# Altium PCB MeasureV2.PcbDoc (continued)
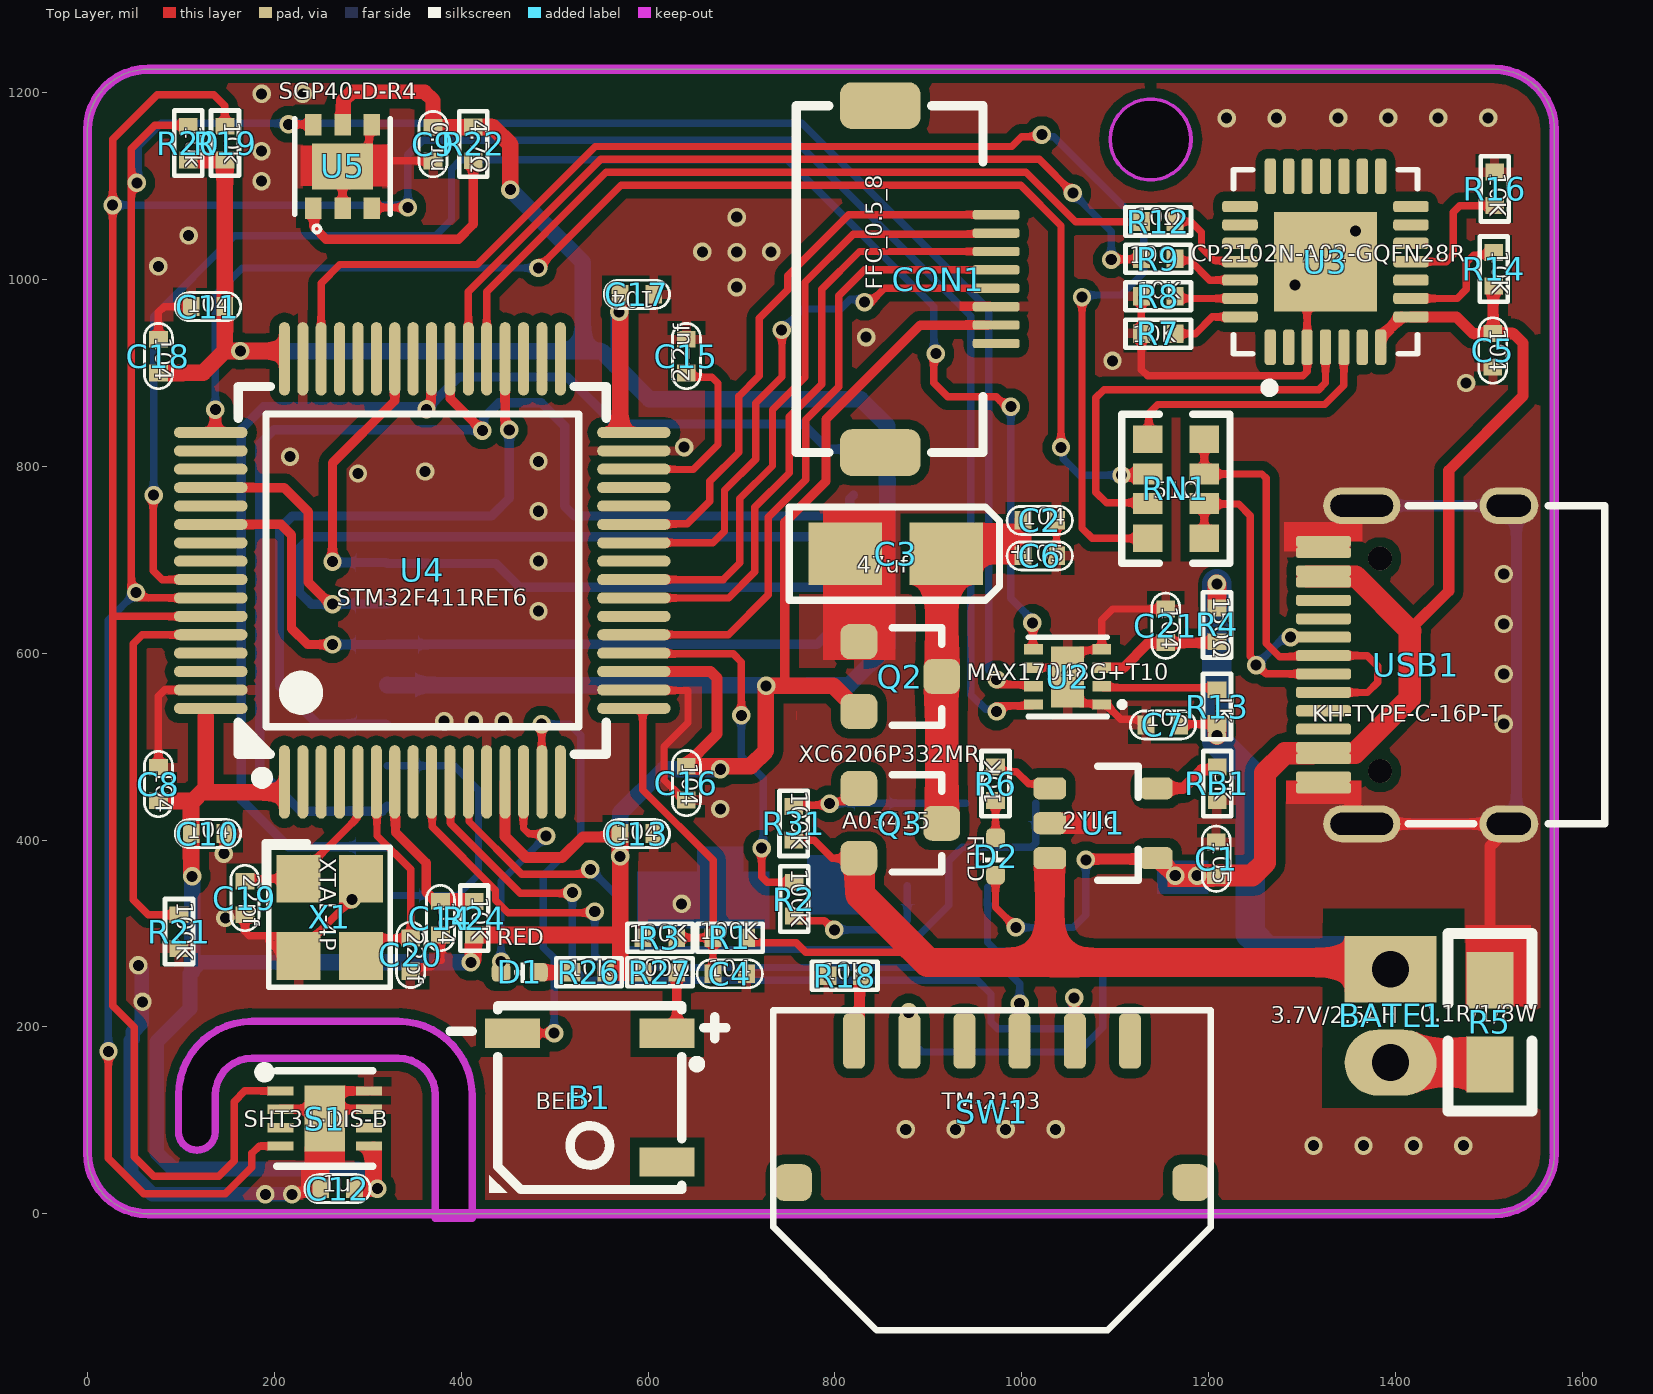
[diagram p0: Top Layer view]
## Footprints (in the part's own frame and the unit in brackets; to place one, negate y for a bottom-side part, rotate by r counter-clockwise, add the part's x,y. Pads: shape width x height; smd on the part's side, far side on the other; paste and mask are expansions set on the pad) (continued)
  rect 110.24x106.3 smd: 29(0,0)
  silkscreen extent -98,-140 98,98, body extent -98,-98 98,98, height 35
SOT23-5_S [mil]
  rrect50% 35x23.62 smd: 1(57,-37.4) 2(57,0) 3(57,37.4) 4(-57,37.4) 5(-57,-37.4)
  silkscreen extent -37,-61 6,61, body extent -54,-57 56,57, height 47
SOT23_ [mm] "Surface mount NPN transistor, package SOT-23"
  rrect50% 0.95x1 smd: 1(-0.95,-1.125) 2(0.95,-1.125) 3(0,1.125)
  silkscreen extent -1.33,-0.22 1.32,1.13, body extent -1.45,-1.4 1.45,1.4, height 1.3
TAJ-A/3216 [mm]
  rect 2x1.7 smd: 1(0.047,0) 2(2.794,0)
  silkscreen extent -1.4,-1.27 4.32,1.27, body extent -0.2,-0.8 3,0.8, height 1.6
TF_Card [mm]
  rrect50% 1.75x0.7 smd: 1(5.4,3.188) 2(5.4,2.088) 3(5.4,0.988) 4(5.4,-0.112) 5(5.4,-1.212) 6(5.4,-2.312) 7(5.4,-3.413) 8(5.4,-4.513)
  rrect50% 1.55x1 smd: 9(-5.4,5.563)
  rrect50% 1x1.45 smd: 10(-3.825,-5.637)
  rrect50% 1.5x1.5 smd: S1(5.275,5.637)
  rrect50% 1.5x1.016 smd: S2(5.275,-5.839)
  rrect50% 1.4x0.8 smd: S3(-2.975,5.963)
  rrect50% 1.5x0.8 smd: S4(-2.325,-5.963)
  silkscreen extent -5.67,-5.99 4.21,5.96, body extent -5.66,-5.96 10.98,6.04, height 1.69
TYPE-C-16P-T [mm]
  round 0.65 hole 0.65: 0(-0.98,-2.89) 0(-0.98,2.89)
  oval 1.6x1 hole 0.6 slot 1.2 at 0 deg: 1(2.52,4.325) 2(2.52,-4.325)
  oval 2.1x1 hole 0.6 slot 1.7 at 0 deg: 3(-1.48,-4.325) 4(-1.48,4.325)
  rrect50% 1.5x0.3 smd: A1(-2.52,-3.35) A4(-2.52,-2.55) A5(-2.52,-1.25) A6(-2.52,-0.25) A7(-2.52,0.25) A8(-2.52,1.25) A9(-2.52,2.55) A12(-2.52,3.35) B1(-2.52,3.05) B4(-2.52,2.25) B5(-2.52,1.75) B6(-2.52,0.75) B7(-2.52,-0.75) B8(-2.52,-1.75) B9(-2.52,-2.25) B12(-2.52,-3.05)
  silkscreen extent -0.22,-4.33 5.12,4.33, body extent -2.78,-4.47 5.12,4.47, height 3.11
WHEEL_SWITCH [mm]
  rrect50% 1x1 smd paste+0 mask+0.102: a(5.401,3.846) ""(-5.401,3.846)
  rrect50% 0.6x1.5 smd paste+0 mask+0.102: b(3.75,0) c(2.25,0) d(0.75,0) e(-0.75,0) f(-2.25,0) g(-3.75,0)
  silkscreen extent -5.94,-0.84 5.94,7.86, body extent -7.21,-0.28 7.21,11.81, height 3
XH2/2.54mm/180 [mm]
  rect 1.8x2.5 hole 1: 1(0,0)
  oval 1.8x2.5 hole 1: 2(2.54,0)

## Part data
B1: "蜂鸣器"
BATE1: library part Battery, "Multicell Battery", LatestRevisionDate=17-Jul-2002, LatestRevisionNote="Re-released for DXP Platform.", PackageReference=BAT-2, Published=24-Mar-1999, Publisher="Altium Limited"
C1 C2 C4 C5: library part Cap, "Capacitor", LatestRevisionDate=17-Jul-2002, LatestRevisionNote="Re-released for DXP Platform.", PackageReference=RAD-0.3, Published=8-Jun-2000, Publisher="Altium Limited"
C3: library part "Cap Pol3", "Polarized Capacitor (Surface Mount)", LatestRevisionDate=29-May-2009, LatestRevisionNote="IPC-7351 Footprint Added.", PackageDescription="Chip Capacitor", PackageReference=C0805, Published=8-Jun-2000, Publisher="Altium Limited"
C6 C7 C8 C10 C11 C13 C14 C15 C16 C17 C18 C19 C20 C21: library part C103
CON1: "FFC", System=Connector
D1 D2: library part LED0, "Typical INFRARED GaAs LED", LatestRevisionDate=08-Jul-2005, LatestRevisionNote="Mech Layer 1 removed.", PackageReference=LED-0, Published=8-Jun-2000, Publisher="Altium Limited"
D3: BOM_JLCPCB Part Class="Extended Part", BOM_Manufacturer="Slkor(SLKORMICRO Elec.)", BOM_Manufacturer Part=BAT54C, BOM_Supplier=LCSC, BOM_Supplier Part=C556168, Contributor=LCSC, spicePre=D, spiceSymbolName=BAT54C_C556168
J1: "10 _8 + 2_ Position Card Connector Secure Digital - microSDâ„¢ Surface Mount, Right Angle Gold", Package=None, Availability=Unavailable, MF="Amphenol Commercial Products", MP=1140084168, Price=None, SnapEDA_Link=https://www.snapeda.com/parts/1140084168/Amphenol/view-part/4544529/?ref=snap
Q2: library part XC6206_3.3
Q3: library part MOSFET-P, "P-Channel MOSFET", LatestRevisionDate=17-Jul-2002, LatestRevisionNote="Re-released for DXP Platform.", PackageReference=E3, PackageVersion=1995/1996, Published=8-Jun-2000, Publisher="Altium Limited"
Q4: library part N-MOS, "N沟道场效应管"
R1 R3 R6 R7 R8 R9 R12 R14 R16 R18 R21 R26 R27 R31 RB1: library part Res2, "Resistor", LatestRevisionDate=17-Jul-2002, LatestRevisionNote="Re-released for DXP Platform.", PackageReference=AXIAL-0.4, Published=8-Jun-2000, Publisher="Altium Limited"
R2 R4 R5 R13 R24: library part R10K
R10 R11 R25 R28 R29: library part 电阻-0402, "Resistor"
RN1: BOM_JLCPCB Part Class="Extended Part", BOM_Manufacturer=RALEC, BOM_Manufacturer Part=RTA03-4D510JTP, Resistance (Ohms)=51, BOM_Supplier=LCSC, BOM_Supplier Part=C102676, nameAlias=Resistance, spicePre=R, spiceSymbolName=RTA03-4D510JTP
S1: BOM_JLCPCB Part Class="Extended Part", BOM_Manufacturer=Sensirion, BOM_Manufacturer Part=SHT31-DIS-B, BOM_Supplier=LCSC, BOM_Supplier Part=C80862, spicePre=S, spiceSymbolName=SHT31-DIS-B
SW1: BOM_JLCPCB Part Class="Extended Part", BOM_Manufacturer="XKB Enterprise", BOM_Manufacturer Part=TM-2103, BOM_Supplier=LCSC, BOM_Supplier Part=C318947, Contributor=LCSC, spicePre=S, spiceSymbolName=TM-2103
U2: BOM_JLCPCB Part Class="Extended Part", BOM_Manufacturer=MAXIM(美信), BOM_Manufacturer Part=MAX17048G+T10, BOM_Supplier=LCSC, BOM_Supplier Part=C2682616, Contributor=LCSC, spicePre=U, spiceSymbolName=MAX17048G+T10
U3: BOM_JLCPCB Part Class="Extended Part", BOM_Manufacturer="SILICON LABS(芯科)", BOM_Manufacturer Part=CP2102N-A02-GQFN28R, BOM_Supplier=LCSC, BOM_Supplier Part=C964632, Contributor=LCSC, spicePre=U, spiceSymbolName=CP2102N-A02-GQFN28R
U4: BOM_JLCPCB Part Class="Extended Part", BOM_Manufacturer=STMicroelectronics, BOM_Manufacturer Part=STM32F411RET6, BOM_Supplier=LCSC, BOM_Supplier Part=C94355, spicePre=U, spiceSymbolName=STM32F411RET6
U5: BOM_JLCPCB Part Class="Extended Part", BOM_Manufacturer=null, BOM_Manufacturer Part=SGP40-D-R4, BOM_Supplier=LCSC, BOM_Supplier Part=C2874215, Contributor=LCSC, spicePre=U, spiceSymbolName=SGP40-D-R4
USB1: BOM_JLCPCB Part Class="Extended Part", BOM_Manufacturer="Shenzhen Kinghelm Elec", BOM_Manufacturer Part=KH-TYPE-C-16P-T, BOM_Supplier=LCSC, BOM_Supplier Part=C709358, Contributor=LCSC, spicePre=U, spiceSymbolName=KH-TYPE-C-16P-T
X1: "4脚无源晶振"
C9 C12: Contributor=LCEDA_Lib, nameAlias=Value(F), spicePre=C, spiceSymbolName=C_0402_US
R19 R20 R22: Contributor=LCEDA_Lib, nameAlias=Value(Ω), spicePre=R, spiceSymbolName=R_0402_EU

## Via types
v1: diameter 19.68, hole 11.81, Top Layer to Bottom Layer, tented both sides, 113 vias

## Nets (pads, with @x,y where several pads share a name; then routed paths per layer and width w, separated by ;. In a path a pad name is that pad's centre, name@x,y a point inside that pad or via, vN(x,y) a via of type N, cw(c..) or ccw(c..) an arc to the next point about the centre after c; other vN are vias at no path point)
BAT: BATE1.1 C7.2 Q3.2 R1.2 R4.1 R13.1 R31.2 U1.3 | length 1634.3
  Top Layer w7.87: R1.2 705.6,295.22 710.66,290.16 758.59,290.16 768.83,279.92 874.02,279.92 881.2,287.11 ; R31.2@755.85,400.06 R31.2 777.65,399.91 797.05,380.51 Q3.2 ; C7.2 1169.83,524.07 R13.1@1208.02,524.07
  Top Layer w20: R13.1@1208.02,524.07 1208.86,523.23 v1(1208.86,512.01) ; v1(1208.66,674.21) 1208.86,674.02 R4.1@1208.86,650.79
  Top Layer w31.5: Q3.2@826.77,380.51 826.77,341.54 881.2,287.11 899.31,269 1029.96,269 ; U1.3@1029.96,376.66 1029.96,269 ; BATE1.1@1396.85,269 1029.96,269
  Bottom Layer w31.5: v1@1208.66,505.91 1244.49,470.08 1244.49,299.95 1262.94,281.5 1375,281.5 BATE1.1 ; v1@1208.66,512.01 v1(1208.66,674.21)
BAT_V: C4.2 R1.1 R3.2 U4.17 | length 352.7
  Top Layer w7.87: U4.17@594.22,539.57 594.22,453.61 669.6,378.24 R1.1 R3.2 ; C4.2@669.5,256.99 R1.1@669.5,295.37
BAT_VCC: C2.2 C3.1 C6.1 Q2.3 Q3.3 | length 483.5
  Top Layer w17.72: 999.8,730.12 942.83,730.12 C3.1 921.57,704.13 C6.1 C2.2
  Top Layer w35.43: Q3.3@914.25,423.23 Q2.3 C3.1@914.25,695.47
BEEP: B1.2 U4.15 | length 493.5
  Top Layer w7.87: B1.2 v1(499.41,193.31) ; v1(486.02,524.02) 486.18,523.86 486.18,462.41 U4.15
  Bottom Layer w7.87: v1(486.02,524.02) 516.14,524.02 527.95,512.2 527.95,402.17 487.8,362.01 487.8,285.06 499.41,273.45 v1(499.41,193.31)
BLK: CON1.1 U4.27 | length 617.5
  Top Layer w8: U4.27 585.3,738.39 641.93,738.39 666.2,762.65 666.2,784.09 697.24,815.14 697.24,875.2 719.09,897.05 719.09,958.46 749.53,988.9 749.53,1003.86 814.96,1069.29 CON1.1
D+: RN1.3 RN1.4 USB1.A6 USB1.B6 | length 431
  Top Layer w7.87: RN1.4 RN1.3 1195.88,759.65 1232.09,759.65 1244.49,747.24 1244.49,596.7 1250.79,590.4 v1(1250.79,587.2) 1252,587.2 1261.31,577.9 1330.5,577.9 USB1.A6@1330.75,577.66 ; v1@1287.64,617.15 1330.63,617.15 USB1.B6@1330.75,617.03
  Bottom Layer w7.87: v1(1250.79,587.2) 1278.49,614.91 1285.35,614.91 v1(1287.61,617.17)
D-: RN1.1 RN1.2 USB1.A7 USB1.B7 | length 484.4
  Top Layer w7.87: RN1.1 RN1.2 1257,791.75 1261.61,787.14 1261.61,610.43 1275.72,596.33 1329.74,596.33 1330.75,597.34 1369.59,597.34 1380.91,586.02 1380.91,568.9 1369.98,557.97 USB1.B7@1330.75,557.97
DC: CON1.5 U4.26 | length 593.6
  Top Layer w7.87: U4.26 669.4,718.16 681.69,730.45 681.69,774.22 715.18,807.71 715.18,867.77 743.22,895.81 743.22,945.58 v1(742.94,945.87) ; v1(831.61,975.72) 833.87,977.98 840.39,977.98 852.96,990.55 CON1.5
  Bottom Layer w7.87: v1(742.94,945.87) 765.38,968.31 806.01,968.31 816.51,978.8 825.33,978.8 828.41,975.72 v1(831.61,975.72)
FRONT: D3.2 U4.11 | length 858.4
  Top Layer w7.87: U4.11 408.34,461.5 408.34,419.87 464.64,363.58 v1@539.96,363.58 ; v1@535.93,366.44 v1(538.19,368.7)
  Bottom Layer w7.87: v1(538.19,368.7) 567.91,338.98 567.91,292.13 577.17,282.87 874.8,282.87 921.85,329.92 921.85,377.95 936.22,392.32 1010.15,392.32 1014.76,396.94 D3.2
FRONT_E: D3.3 SW1.c | length 509
  Bottom Layer w7.87: v1(878.94,215.55) 878.94,187.8 893.5,173.23 1060.24,173.23 1086.42,199.41 1086.42,262.8 1067.91,281.3 972.64,281.3 963.19,290.75 D3.3@963.19,349.41
GND: BATE1.2 C1.2 C2.1 C3.2 C4.1 C5.2 C6.2 C7.1 C8.1 C9.2 C10.1 C11.1 C12.1 C13.1 C14.1 C15.1 C16.1 C17.1 C18.1 C19.1 C20.1 C21.2 CON1.6 J1.6 J1.9 J1.10 J1.S1 J1.S2 J1.S3 J1.S4 Q2.1 Q4.2 R3.1 R5.1 R5.2 R7.1 R8.1 R16.2 R18.2 R21.1 RB1.1 S1.2 S1.7 S1.8 S1.9 U1.2 U2.1 U2.4 U2.6 U2.9 U3.3 U3.29 U4.12 U4.18 U4.31 U4.47 U4.63 U5.2 U5.4 U5.7 USB1.1 USB1.2 USB1.3 USB1.4 USB1.A1 USB1.A12 USB1.B1 USB1.B12 X1.2 X1.4 | length 3916.7
  Top Layer w7.87: v1(145.87,385.43) 146.41,385.98 146.41,406.45 C10.1 ; C19.1 168.5,302.25 173.12,297.64 206.1,297.64 225.79,277.95 X1.2 245.47,295.67 245.47,299.21 v1(282.87,336.61) ; 193.9,293.5 193.9,292.03 229.04,256.89 X1.2@236.22,256.89 ; C20.1 350.93,264.23 368.12,264.23 375.35,271.46 378.54,271.46 378.15,271.85 378.15,298.14 C14.1 ; U4.18 619.44,560.68 620.04,560.08 642.63,560.08 642.63,525.61 617.02,500.01 617.02,464.23 633.19,448.06 634.9,448.06 638.39,444.57 C16.1@638.39,443.5 ; C3.2@809.85,707.71 C3.2 825.67,691.89 Q2.1 ; U2.6 1039.17,584.45 U2.9 ; C6.2 C2.1 ; R8.1 R7.1 1127.96,903.54 1134.65,896.85 1300.66,896.85 1305.28,901.46 U3.3 1305.28,999.31 U3.29 ; C7.1 1132.98,524.23 1127.92,529.29 1105.75,529.29 1089.96,545.08 U2.1 1084.55,546.06 1062.8,546.06 1049.02,559.84 U2.9 ; C21.2 1097.32,647.32 1085.53,635.53 U2.4 1084.55,603.15 1062.8,603.15 1049.02,589.37 U2.9 ; R5.1@1499.15,161.81 R5.1
  Top Layer w8: C8.1 75.96,554.11 82.53,560.68 U4.63 ; C18.1 75.96,964.74 82.22,971 C11.1 ; U5.2 U5.7 278.76,1126.8 U5.7@286.63,1126.8 ; U5.4 301.44,1162.77 301.44,1141.61 U5.7@286.63,1126.8 ; C9.2 U5.7@286.63,1126.8
  Top Layer w9.84: S1.2 244.1,111.81 S1.9 ; C12.1 249.72,27.97 253.94,32.19 S1.9 ; S1.7 263.78,111.81 S1.9 ; S1.8 270.67,131.5 253.94,114.77 S1.9
  Top Layer w11.81: v1(218.9,20.84) 221.03,20.84 223.06,22.87 246.62,22.87 246.62,23.87 C12.1 ; C1.2@1206.96,398 C1.2 ; RB1.1@1207.96,442.33 RB1.1 ; USB1.A1@1330.75,455.61 1353.68,455.61 1353.68,429.96 1366.41,417.22 1529.17,417.22 1524.82,417.22 1500.96,393.37 R5.2 R5.2@1500.96,248
  Top Layer w50: BATE1.2 R5.1@1499.15,161.81
  Bottom Layer w7.87: J1.6 392.37,479.48 418.5,453.35 418.5,363.19 395.94,340.62 J1.S2
  Bottom Layer w11.81: USB1.3@1371.69,417.22 1529.17,417.22 1529.17,757.78 USB1.4@1371.69,757.78
  Bottom Layer w15.75: v1(54.53,265.94) 54.53,264.88 58.11,261.3 58.11,227.52 v1(58.86,226.77) 58.11,226.02 58.11,204.36 48.34,194.59 48.34,187.12 46.65,185.43 46.65,43.5 69.32,20.84 v1(190.35,20.84) ; v1@190.35,20.47 190.72,20.84 v1(218.9,20.84)
  other v1: 1312.14,73.03 1365.62,73.03 1419.09,73.03 1472.57,73.03 875.72,90.35 929.2,90.35 982.68,90.35 1036.15,90.35 147.64,316.54 635.83,331.69 677.36,433.27 1515.75,524.28 381.69,527.36 445.28,527.17 413.19,527.56 1515.75,577.76 1515.75,631.23 482.68,644.95 1515.75,684.71 482.68,698.43 482.68,751.9 289.57,792.32 361.42,794.49 482.68,805.38 216.73,810.43 638.53,820.44 1475.39,889.17 1097.05,912.8 833.27,938.19 694.88,991.73 1292.32,994.09 75.79,1013.98 694.88,1029.23 658.07,1029.53 731.69,1029.53 108.27,1047.05 1357.28,1051.97 694.88,1066.73 186.22,1105.12 186.22,1137.4 1219.16,1172.64 1272.64,1172.64 1338.52,1172.83 1391.99,1172.83 1445.47,1172.83 1498.95,1172.83 186.42,1198.62 230.51,1198.62
LED: D1.2 U4.14 | length 243.4
  Top Layer w7.87: D1.2 v1@442.63,269.68 ; U4.14 466.65,412.42 472.48,406.59 488.68,406.59 v1(490.94,404.33)
  Bottom Layer w7.87: v1@442.63,269.68 442.63,356.02 v1(490.94,404.33)
  other v1: 442.63,270
LOW_POWER: U2.5 U4.57 | length 1785.3
  Top Layer w7.87: v1(908.05,920.67) 905.79,918.41 905.79,914.06 905.58,913.85 905.58,889.41 920.56,874.44 972.48,874.44 983.14,863.78 v1(988.21,863.78) ; v1(1011.22,632.48) 1011.86,631.84 1011.86,604.77 U2.5
  Top Layer w8: v1(70.8,769.09) 70.35,768.64 70.35,688.32 79.88,678.79 U4.57
  Bottom Layer w7.87: v1(70.8,769.09) 70.8,960.17 157.28,1046.65 372.44,1046.65 389.57,1063.78 389.57,1117.91 399.58,1127.93 748.84,1127.93 905.79,970.98 905.79,922.93 v1(908.05,920.67) ; v1(988.21,863.78) 988.21,658.68 1011.22,635.68 v1(1011.22,632.48)
MID: SW1.e U4.9 | length 849.3
  Top Layer w7.87: U4.9 368.97,461.5 368.97,414.1 436.61,346.46 436.61,335.43 450,322.05 541.54,322.05 v1(542.91,323.43) ; SW1.e@997.64,178.54 v1(997.64,225)
  Bottom Layer w7.87: v1(542.91,323.43) 542.91,276.77 556,263.69 980.21,263.69 997.64,246.26 v1(997.64,225)
MOSI: CON1.3 U4.23 | length 672.3
  Top Layer w7.87: U4.23 686.15,659.1 714.17,687.12 714.17,756.15 750.93,792.9 750.93,852.96 785.83,887.86 785.83,989.51 826.24,1029.92 CON1.3@968.31,1029.92
NetB1_1: B1.1 R27.2 | length 69.4
  Top Layer w10: B1.1 630.63,203.61 R27.2
NetC15_2: C15.2 U4.30 | length 205.4
  Top Layer w7.87: U4.30 628.44,796.9 628.68,796.66 648.38,796.66 674.8,823.09 674.8,888.98 668.31,895.47 645.49,895.47 C15.2
NetC19_2: C19.2 U4.5 X1.1 | length 188.4
  Top Layer w7.87: C19.2 171.17,358.66 X1.1 225.79,360.63 288.73,423.57 288.73,461.5 U4.5
NetC20_2: C20.2 U4.6 X1.3 | length 244
  Top Layer w7.87: X1.3 311.9,295.17 C20.2 ; U4.6 309.92,461.5 309.92,404.72 345.87,368.78 345.87,300.23 C20.2@340.16,300.23
NetC21_1: C21.1 R4.2 U2.3 | length 136
  Top Layer w7.87: C21.1@1152.07,611.02 1152.36,611.32 C21.1@1152.86,611.82 ; R4.2@1208.36,611.82 R4.2
  Top Layer w11: U2.3@1085.54,584.46 1108.87,584.46 1135.43,611.02 1152.07,611.02 R4.2@1208.66,611.02
NetD1_1: D1.1 R26.2 | length 36
  Top Layer w15.75: D1.1 R26.2
NetD2_2: D2.2 R6.2 | length 39.9
  Top Layer w7.87: D2.2 R6.2
NetD3_1: D3.1 Q3.1 Q4.3 R31.1 | length 223.8
  Top Layer w7.87: R31.1 757.24,437.44 792.76,437.44 796.55,441.24 807.6,441.24 821.68,455.32 Q3.1
  Bottom Layer w7.87: v1(794.29,438.98) 794.59,439.27 839.67,439.27 Q4.3 D3.1
NetQ4_1: Q4.1 R2.1 | length 168.4
  Top Layer w7.87: R2.1 761.33,313.78 788.69,313.78 798.53,303.94 v1(799.41,303.94)
  Bottom Layer w7.87: v1(799.41,303.94) 867.32,303.94 877.36,313.98 Q4.1
NetR6_1: R6.1 U1.1 | length 50.2
  Top Layer w7.87: R6.1 976.9,473.27 994.25,473.27 1007.28,460.24 U1.1@1014.56,460.24
NetR7_2: R7.2 U3.28 | length 76.9
  Top Layer w7.87: R7.2 1185.9,942 1203.84,959.94 U3.28
NetR8_2: R8.2 U3.27 | length 70.5
  Top Layer w7.87: R8.2 1166.33,979.63 U3.27
NetR9_1: R9.1 U3.26 | length 78.9
  Top Layer w7.87: R9.1 1165.73,1020.23 1180.16,1020.23 1201.08,999.32 U3.26
NetR12_1: R12.1 U3.25 | length 97.1
  Top Layer w7.87: R12.1 1180.72,1062 1192.32,1050.39 1192.32,1033.66 1205.79,1020.19 1232.27,1020.19 U3.25
NetR13_2: R13.2 U2.2 | length 124.9
  Top Layer w7.87: U2.2 1087.11,563.19 1206.58,563.19 R13.2
NetR14_2: R14.2 U3.9 | length 126
  Top Layer w7.87: U3.9 1466.05,979.63 1475.79,989.37 1475.79,1018.5 1483.46,1026.18 1502.14,1026.18 R14.2
NetR16_1: R16.1 U3.11 | length 140.9
  Top Layer w7.87: U3.11 1454.04,1019 1461.81,1026.77 1461.81,1072.05 1468.76,1079 R16.1
NetR18_1: R18.1 SW1.b | length 73.9
  Top Layer w11.81: SW1.b@820.47,178.54 826.38,184.45 R18.1@826.38,247.83 ; R18.1@827.96,252.77 R18.1@829.46,254.27
NetR21_2: R21.2 U4.60 | length 416.6
  Top Layer w8: R21.2 65.04,320 49.02,336.02 49.02,610.06 58.69,619.73 U4.60
NetR22_1: R22.1 U5.1 | length 271.1
  Top Layer w10: U5.1 242.61,1075.07 242.61,1055.82 255.32,1043.11 397.05,1043.11 412.96,1059.02 R22.1
NetRB1_2: RB1.2 U1.5 | length 74.8
  Top Layer w11.81: U1.5 1172.36,455.4 1192.2,475.24 1205.2,475.24 RB1.2@1208.96,479
nRST: C14.2 R24.1 U4.7 | length 187.2
  Top Layer w10: U4.7 329.2,461.91 329.2,427.16 329.64,426.72 329.64,408.36 362.4,375.59 362.4,344.39 368.26,338.54 373.76,338.54 C14.2
  Top Layer w17.72: C14.2@377.91,334.39 C14.2@379.18,334.39 ; C14.2@379.19,334.39 R24.1
REAR: SW1.f U4.10 | length 948.1
  Top Layer w7.87: U4.10 388.66,461.5 388.66,417.44 463.19,342.91 518.01,342.91 v1(518.9,343.8) ; v1(1055.91,231.1) 1056.3,230.71 1056.3,178.94 SW1.f@1056.69,178.54
  Bottom Layer w7.87: v1(518.9,343.8) 518.9,264.37 533.46,249.81 952.35,249.81 966.93,235.24 966.93,205.12 974.02,198.03 1045.67,198.03 1054.18,206.54 1054.18,229.37 v1(1055.91,231.1)
RES: CON1.2 U4.24 | length 675.4
  Top Layer w7.87: U4.24 680.56,678.79 698.23,696.46 698.23,765.48 733.06,800.3 733.06,860.36 767.95,895.26 767.95,996.92 819.46,1048.43 CON1.2@971.85,1048.43
SCK: CON1.4 U4.21 | length 692.8
  Top Layer w7.87: U4.21 686.06,619.73 728.74,662.4 728.74,745.43 768.8,785.5 768.8,849.77 804.13,885.1 804.13,982.54 831.83,1010.24 CON1.4
SCL: R20.2 S1.4 U2.7 U4.58 U5.6 | length 2989.4
  Top Layer w8: v1(22.44,173.82) 22.44,59.45 60.43,21.46 147.64,21.46 175.98,49.8 175.98,64.57 183.86,72.44 S1.4 ; R20.2@106.5,1164.96 72.05,1164.96 46.96,1139.87 46.96,670 v1(51.96,665) 57.86,659.1 U4.58 ; v1(215.16,1165.94) 215.24,1165.86 241.38,1165.86 U5.6 ; v1(973.03,571.85) v1@976.19,571.85 ; v1@973.23,566.28 1010.99,566.28 U2.7
  Bottom Layer w8: v1(22.44,173.82) 22.44,635.48 v1(51.96,665) ; v1(52.76,1103.35) 54.18,1104.77 54.18,1142.56 78.74,1167.13 213.98,1167.13 v1(215.16,1165.94) 216.34,1167.13 764.68,1167.13 964.37,967.44 964.37,582.38 973.03,573.72 v1(973.03,571.85)
SD_CK: J1.5 U4.36 | length 711.4
  Top Layer w10: U4.36 446.96,846.01 451.38,841.59 v1(451.38,838.97)
  Bottom Layer w10: J1.5 319.26,524.21 246.06,524.21 205.51,564.76 205.51,733.27 219.09,746.85 432.28,746.85 451.38,765.94 v1(451.38,838.97)
SD_CMD: J1.3 R25.2 U4.54 | length 804.7
  Top Layer w10: U4.54 207.05,737.84 218.42,726.46 218.42,626.46 235.63,609.25 v1(262.2,609.25)
  Bottom Layer w10: v1(262.2,609.25) 262.28,609.33 320.61,609.33 J1.3 780.86,609.4 792.63,621.18 R25.2
SD_D0: J1.7 R10.2 U4.39 | length 1375.9
  Top Layer w10: U4.39 388.26,914.65 388.26,872.57 v1(422.64,838.19) v1@422.64,840.81
  Bottom Layer w10: J1.7 315.42,430.91 228.15,430.91 184.45,474.61 184.45,824.02 199.61,839.17 421.65,839.17 v1(422.64,838.19) 424.1,839.65 424.1,851.86 440.35,868.11 485.63,868.11 510.63,843.11 510.63,757.28 521.06,746.85 805.91,746.85 815.89,756.84 815.89,765.02 R10.2
SD_D1: J1.8 R11.2 U4.40 | length 1342.3
  Top Layer w10: v1(362.8,861.02) 362.8,863.64 367.87,868.72 367.87,914.65 U4.40
  Bottom Layer w10: J1.8 215.01,392.87 164.57,443.31 164.57,839.76 188.39,863.58 353.39,863.58 354.09,862.88 360.94,862.88 v1(362.8,861.02) 397.44,895.67 513.58,895.67 563.97,845.28 765.54,845.28 792.52,818.31 R11.2
SD_D2: J1.1 R28.2 U4.42 | length 813.7
  Top Layer w10: v1(262.2,698.03) 262.2,803.54 328.85,870.19 U4.42
  Bottom Layer w10: v1(262.2,698.03) 263.21,697.02 319.68,697.02 J1.1 437.05,696.02 462.61,670.46 R28.2
SD_D3: J1.2 R29.2 U4.52 | length 970.3
  Top Layer w10: U4.52 210.39,777.21 236.42,751.18 236.42,675.79 v1@259.65,652.56
  Bottom Layer w10: J1.2 320.61,652.63 262.28,652.63 v1(262.2,652.56) 239.37,652.56 226.77,665.16 226.77,712.01 239.37,724.61 815.89,724.61 819.89,720.61 R29.2
SDA: R19.2 S1.1 U2.8 U4.59 U5.3 | length 3183.3
  Top Layer w8: 28.96,639.42 U4.59 ; R19.2@147.05,1166.14 147.05,1185.83 135.04,1197.83 74.61,1197.83 26.97,1150.2 v1(26.97,1079.53) 26.97,222.83 50.2,199.61 50.2,61.02 70.87,40.35 140.55,40.35 156.89,56.69 156.89,120.08 168.31,131.5 S1.1 ; U5.3 305.24,1077 v1(342.96,1077) ; v1@972.44,543.57 1010.99,543.57 U2.8
  Bottom Layer w8: v1(26.97,1079.53) 337.27,1079.53 v1@339.8,1077 ; v1(342.96,1077) 342.96,1133.31 358.77,1149.13 757.22,1149.13 945.47,960.88 945.47,555.51 961.15,539.83 970.8,539.83 v1(973.03,537.6)
SWCLK: RN1.7 U4.49 | length 1471.3
  Top Layer w7.87: v1(482.48,1012.2) 570.98,1100.7 998.71,1100.7 1041.93,1057.48 v1(1041.93,820.28)
  Top Layer w11.81: U4.49 136.81,836.27 v1(136.81,860.63) ; v1@1107.48,790.16 1133.06,790.16 RN1.7
  Bottom Layer w7.87: v1(136.81,860.63) 136.81,983.27 165.75,1012.2 v1(482.48,1012.2) ; v1(1041.93,820.28) 1044.19,818.02 1044.19,808.17 1061.81,790.55 v1(1106.69,790.55)
SWDIO: RN1.5 U4.46 | length 1515.9
  Top Layer w7.87: U4.46 250.11,995.98 270.08,1015.94 417.06,1015.94 543.44,1142.32 989.28,1142.32 999.62,1152.66 1019.2,1152.66 v1(1021.46,1154.92) ; v1(1064.37,981.1) 1064.37,733.86 1075.38,722.85 RN1.5
  Bottom Layer w7.87: v1(1021.46,1154.92) 1023.58,1152.8 1034.21,1152.8 1130.31,1056.69 1130.31,1007.48 1106.2,983.36 1066.63,983.36 v1(1064.37,981.1)
USART6_RX: R9.2 U4.38 | length 913.2
  Top Layer w7.87: U4.38 407.59,986.86 549.18,1128.45 1018.55,1128.45 v1(1054.51,1092.5) ; v1(1095.67,1021.26) 1096.04,1021.63 1127.59,1021.63 R9.2
  Bottom Layer w7.87: v1(1054.51,1092.5) 1095.67,1051.33 v1(1095.67,1021.26)
USART6_TX: R12.2 U4.37 | length 848.2
  Top Layer w7.87: U4.37 427.28,986.93 554.93,1114.57 1004.46,1114.57 1057.42,1061.61 R12.2@1128.74,1061.61
USB_DM: RN1.8 U3.5 | length 290
  Top Layer w7.87: RN1.8 1135.83,830.33 1135.83,856.5 1145.54,866.21 1324.29,866.21 1344.65,886.57 U3.5
USB_DP: RN1.6 U3.4 | length 451.4
  Top Layer w7.87: RN1.6@1134.45,761.02 1090.55,761.02 1079.23,772.35 1079.23,873.32 1087.99,882.09 1317.72,882.09 1324.96,889.33 U3.4
USB_VCC: C1.1 C5.1 D2.1 R14.1 U1.4 U3.7 U3.8 USB1.A4 USB1.A9 USB1.B4 USB1.B9 | length 1481.8
  Top Layer w7.87: D2.1@967.87,363.32 D2.1@968.52,363.98 ; D2.1 971.85,328.15 v1(993.5,306.5)
  Top Layer w11.81: v1(1068.5,378.74) 1069.43,379.67 1143.03,379.67 U1.4 ; U3.7 1384.02,937.76 U3.8@1406.3,960.04 ; 1414.96,624.8 1456.89,666.73 1456.89,795.67 1536.42,875.2 1536.42,931.75 1526.04,942.13 1504.09,942.13 1504.46,942.5 1504.46,992.5 R14.1 ; U3.8 1465.06,959.94 1483,942 C5.1
  Top Layer w17.72: U1.4 1149.65,380.6 1152.6,377.65 1152.6,373.58 v1(1164.17,362.01)
  Top Layer w23.62: v1@1187.6,362.07 1207.89,362.07 C1.1 1246.4,362 1260.24,375.84 1260.24,471.65 1281.5,492.91 USB1.A4@1310.63,492.91 ; USB1.A9@1305.91,682.28 1357.28,682.28 1416.04,623.52 ; USB1.B4@1309.96,682 USB1.B4@1330.75,682 ; USB1.A4@1330.96,493 1356.39,493 1415.16,551.77 1415.16,619.29
  Bottom Layer w7.87: v1(993.5,306.5) 1055.12,306.5 1068.5,319.88 v1(1068.5,378.74)
  Bottom Layer w17.72: v1(1164.17,362.01) v1(1187.6,362.01)
VCC_3.3V: C8.2 C9.1 C10.2 C11.2 C12.2 C13.2 C16.2 C17.2 C18.2 CON1.7 J1.4 Q2.2 R10.1 R11.1 R19.1 R20.1 R22.2 R24.2 R25.1 R26.1 R27.1 R28.1 R29.1 S1.5 U4.1 U4.13 U4.19 U4.32 U4.48 U4.64 U5.5 | length 5562.8
  Top Layer w10: 746.26,565.75 746.26,739.96 790.43,784.13 790.43,850.28 891.27,951.11 CON1.7@963.91,951.11
  Top Layer w11.81: U4.13 446.96,403.66 469.32,381.3 508.07,381.3 530.3,403.53 566.87,403.53 569.96,406.62 C13.2 ; U4.19 666.9,580.36 673.82,573.44 673.82,513.39 645.05,484.62 645.05,482.09 642.03,479.07 641.96,479 C16.2@641.39,479 ; C16.2@641.39,479 C16.2 641.18,479.22 C16.2@641.39,479
  Top Layer w15.75: U5.5 273.91,1166.73 273.91,1191.56 283.13,1200.79 360.66,1200.79 369.88,1191.56 C9.1
  Top Layer w17.72: C8.2 107.41,442 110.14,439.27 ; C18.2 76.1,900.14 123.68,900.14 146.96,923.43 ; R20.1 R19.1 ; v1@110.96,362.66 C10.2 110.96,438.45 110.14,439.27 ; v1@112.01,360.69 v1(112.01,361.22) ; 126.38,450.98 126.38,455.51 ; 126.38,532.45 126.38,455.51 ; 129.33,450.98 U4.1@206.69,450.98 ; R19.1@146.96,1121.85 C11.2 146.96,923.43 ; U4.48@205.71,923.43 v1(163.58,923.43) 146.96,923.43 ; C12.2@285.86,27.17 C12.2 C12.2 v1(310.24,26.97) 310.24,27.5 306.1,31.63 S1.5@306.1,68.5 ; C9.1 R22.2@411.76,1162.8 ; v1(410.24,269.09) 410.24,269.63 412.73,272.12 412.73,298.24 412.87,298.39 R24.2 568.74,298.39 569.96,299.61 ; R22.2@411.82,1162.86 433.99,1162.86 452.56,1144.29 v1(452.56,1096.06) ; R26.1 R27.1 ; v1(569.09,965.16) v1@569.96,966.02 ; 569.96,263.39 569.96,299.61 ; C13.2@569.96,406.62 569.96,362.52 ; U4.32@569.96,841.34 v1@569.96,966.02 ; C17.2 v1@569.96,966.02 ; 570.08,362.4 569.96,362.52 ; C16.2@641.39,479 641.46,479.07 642.03,479.07 642.03,478.93 642.1,478.86 673.76,478.86 676.83,475.79 v1(677.36,475.79) ; v1@676.18,479.07 v1@679.85,479.07 ; v1@682.28,479.13 709.65,479.13 726,495.49 726,564.58 v1(726.38,564.96) 726.75,565.34 746.26,565.34 797.93,565.34 815.15,548.12 815.15,547.4 824.95,537.6 Q2.2 ; 110.14,439.27 126.38,455.51 ; 569.96,299.61 569.96,362.52
  Bottom Layer w11.81: R11.1@855.89,817.31 R11.1
  Bottom Layer w15.75: 204.13,269.09 121.46,269.09 109.65,257.28 109.65,219.49 74.21,184.06 74.21,65.35 91.54,48.03 289.17,48.03 v1@309.86,27.35
  Bottom Layer w17.72: 112.01,259.65 v1(112.01,361.22) ; v1@162.99,923.23 530.12,923.23 ; 204.13,269.09 v1(410.24,269.09) ; J1.4 320.86,565.92 724.88,565.92 725.85,564.96 v1(726.38,564.96) 726.75,565.34 771.24,565.34 771.65,565.75 814.76,565.75 855.75,606.74 855.75,620.04 855.81,620.09 855.81,670.38 R28.1 ; v1(452.56,1096.06) 530.12,1018.5 530.12,923.23 ; v1(569.09,965.16) 568.72,964.78 568.72,912.03 564.96,908.27 ; v1(570.08,382.48) 570.08,429.13 616.73,475.79 v1@676.83,475.79 ; R28.1 R28.1 R29.1 ; R29.1@855.85,719.78 855.89,719.83 855.89,768.94 R10.1 855.89,769.11 R11.1@855.89,817.31 ; R11.1 855.89,843.51 827.56,871.85 601.38,871.85 564.96,908.27 ; 530.12,923.23 550,923.23 564.96,908.27
VDD_ON: R2.2 U4.20 | length 396.5
  Top Layer w7.87: U4.20 585.51,599.29 691.06,599.29 699.8,590.55 v1(699.8,533.46) ; v1(721.46,391.34) 721.46,360.83 727.47,354.81 R2.2
  Bottom Layer w7.87: v1(699.8,533.46) 699.8,489.76 723.23,466.34 723.23,393.11 v1(721.46,391.34)
pads on no net: B1.3 CON1.0 CON1.8 S1.3 S1.6 SW1. SW1.a SW1.d SW1.g U3.1 U3.2 U3.6 U3.10 U3.12 U3.13 U3.14 U3.15 U3.16 U3.17 U3.18 U3.19 U3.20 U3.21 U3.22 U3.23 U3.24 U4.2 U4.3 U4.4 U4.8 U4.16 U4.22 U4.25 U4.28 U4.29 U4.33 U4.34 U4.35 U4.41 U4.43 U4.44 U4.45 U4.50 U4.51 U4.53 U4.55 U4.56 U4.61 U4.62 USB1.0 USB1.A5 USB1.A8 USB1.B5 USB1.B8

## Polygon pours and split planes (outlines as drawn)
GND on Top Layer "GND_L01_P000" (solid, remove dead copper, pour order 0): 0.2,1226.77 -0.2,1226.38 -0.2,-0.2 1570.08,-0.2 1569.88,0 1569.88,1225
GND on Bottom Layer "GND_L02_P001" (solid, remove dead copper, pour order 1): 1.5,1226.7 -0.59,1224.61 -0.59,0 1569.49,0 1569.49,1224.93

## Keep-outs
Keep-Out Layer:
  circle w3.94: c1137.8,1149.8 r43.31
  lines w7.87: 97.44,87.6 ccw(c117.13,87.8) 136.81,87.8 136.81,127.17 cw(c176.18,127.17) 176.18,166.54 332.87,166.54 cw(c332.87,127.17) 372.24,127.17 372.24,-4.72 411.61,-4.72 411.61,127.17 ccw(c332.87,127.17) 332.87,205.91 176.18,205.91 ccw(c176.18,127.17) 97.44,127.17 97.44,87.6
  lines w10: -0.04,65 ccw(c64.96,65) 64.96,0 1504.96,0 ccw(c1504.96,65) 1569.96,65 1569.96,1160 ccw(c1504.96,1160) 1504.96,1225 64.96,1225 ccw(c64.96,1160) -0.04,1160 -0.04,65

## Other copper
Top Layer:
  rectangle net GND: 933.07,966.34 967.13,976.18
  rectangle net GND: 228.74,25.59 251.77,48.82
  rectangle net GND: 232.48,47.83 275.59,72.24
  rectangle net GND: 1282.48,438.39 1363.39,463.98
  rectangle net GND: 1350.2,719.68 1364.76,738.98
  rectangle net GND: 1280.51,709.06 1351.77,740.55
  rectangle net GND: 787.2,592.91 864.96,755.91
  rectangle net GND: 1040.75,406.69 1082.09,429.72
  rectangle net BAT_VCC: 956.5,708.07 998.43,726.18
  rectangle net USB_VCC: 1155.71,349.8 1206.3,374.41
  rectangle net GND: 227.95,1099.8 245.67,1143.11
  rectangle net GND: 303.35,1099.61 322.64,1144.29
  rectangle net GND: 1474.61,221.85 1545.08,309.06
  pour cut-out: 1321.85,326.57 1322.44,327.17 1474.21,327.17 1474.21,112.99 1320.75,112.99
  pour cut-out: 1334.84,217.52 1334.84,113.39 1550.59,113.39 1550.59,218.25
Bottom Layer:
  rectangle net GND: 770.08,320.28 839.76,384.06
  rectangle net GND: 652.36,350.39 701.97,393.31
  rectangle net GND: 588.19,305.51 730.12,366.14
  rectangle net USB_VCC: 1144.49,342.13 1199.8,377.95
  pour cut-out: 1321.65,326.57 1322.24,327.17 1474.02,327.17 1474.02,112.99 1320.55,112.99
  pour cut-out: 1334.25,217.72 1334.25,113.58 1550,113.58 1550,218.44

## Text inside footprints (layer, text, board x,y; h text height)
C3: Top Overlay "+" at 1006.06,721.5 h30 r180